# KiCad board Eclipse60.kicad_pcb (continued)
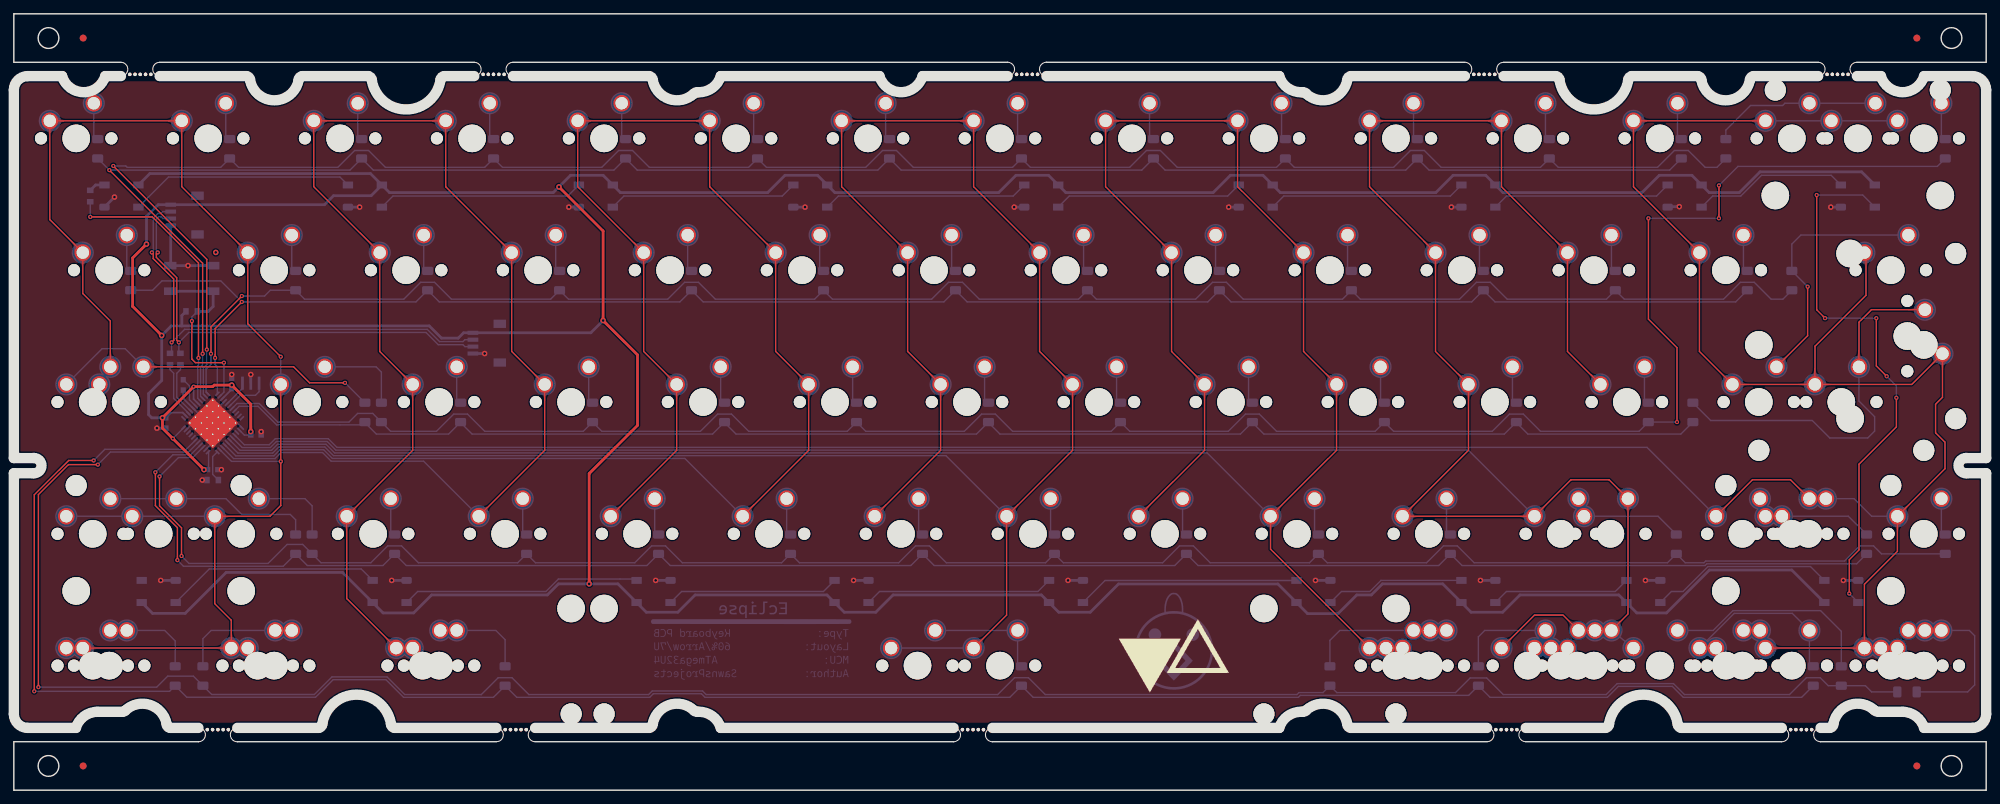
[diagram p0: board, top side]
## Copper pours and planes (outline as drawn; the poured copper is in the pictures) (continued)
Net-(D69-Pad2) on Bottom: 136.17,23.18 136.04,23.18 135.91,23.19 135.79,23.2 135.68,23.22 135.58,23.24 135.48,23.27 135.39,23.3 135.31,23.33 135.23,23.37 135.15,23.4 135.08,23.45 135.01,23.49 134.95,23.54 134.88,23.59 134.82,23.64 134.76,23.7 134.45,23.99 134.39,24.05 134.32,24.11 134.24,24.17 134.16,24.23 134.08,24.29 133.99,24.35 133.89,24.41 133.79,24.46 133.68,24.52 132.18,23.08 133.68,21.64 133.79,21.7 133.89,21.75 133.99,21.81 134.08,21.87 134.16,21.93 134.24,21.99 134.32,22.05 134.39,22.11 134.45,22.17 134.76,22.46 134.82,22.52 134.88,22.57 134.95,22.62 135.01,22.67 135.08,22.71 135.15,22.75 135.23,22.79 135.31,22.83 135.39,22.86 135.48,22.89 135.58,22.92 135.68,22.94 135.79,22.96 135.91,22.97 136.04,22.98 136.17,22.98
Net-(D69-Pad2) on Bottom: 135.37,23.18 135.27,23.18 135.18,23.19 135.09,23.2 135.01,23.21 134.93,23.22 134.86,23.24 134.79,23.26 134.72,23.29 134.67,23.31 134.61,23.34 134.56,23.37 134.5,23.41 134.46,23.44 134.41,23.48 133.98,23.86 133.92,23.9 133.87,23.95 133.8,23.99 133.74,24.03 133.66,24.08 133.59,24.12 133.51,24.16 132.38,23.08 133.51,22 133.59,22.04 133.66,22.08 133.74,22.13 133.8,22.17 133.87,22.21 133.92,22.26 133.98,22.3 134.41,22.68 134.46,22.72 134.5,22.75 134.56,22.79 134.61,22.82 134.67,22.85 134.72,22.87 134.79,22.9 134.86,22.92 134.93,22.94 135.01,22.95 135.09,22.96 135.18,22.97 135.27,22.98 135.37,22.98
Net-(D69-Pad2) on Bottom: 144.99,20.69 144.99,20.79 145,20.89 145.01,20.98 145.02,21.06 145.03,21.14 145.05,21.21 145.07,21.28 145.1,21.34 145.12,21.4 145.15,21.45 145.18,21.51 145.22,21.56 145.25,21.61 145.29,21.66 145.67,22.08 145.71,22.14 145.76,22.2 145.8,22.26 145.84,22.33 145.89,22.4 145.93,22.48 145.97,22.56 144.89,23.68 143.81,22.56 143.85,22.48 143.89,22.4 143.94,22.33 143.98,22.26 144.02,22.2 144.07,22.14 144.11,22.08 144.49,21.66 144.53,21.61 144.56,21.56 144.6,21.51 144.63,21.45 144.66,21.4 144.68,21.34 144.71,21.28 144.73,21.21 144.75,21.14 144.76,21.06 144.77,20.98 144.78,20.89 144.79,20.79 144.79,20.69
Net-(D69-Pad2) on Bottom: 144.99,19.89 144.99,20.03 145,20.15 145.01,20.27 145.03,20.38 145.05,20.49 145.08,20.58 145.11,20.67 145.14,20.76 145.18,20.84 145.21,20.91 145.26,20.98 145.3,21.05 145.35,21.12 145.4,21.18 145.45,21.24 145.51,21.3 145.8,21.61 145.86,21.68 145.92,21.75 145.98,21.82 146.04,21.9 146.1,21.98 146.16,22.07 146.22,22.17 146.27,22.27 146.33,22.38 144.89,23.88 143.45,22.38 143.51,22.27 143.56,22.17 143.62,22.07 143.68,21.98 143.74,21.9 143.8,21.82 143.86,21.75 143.92,21.68 143.98,21.61 144.27,21.3 144.33,21.24 144.38,21.18 144.43,21.12 144.48,21.05 144.52,20.98 144.57,20.91 144.6,20.84 144.64,20.76 144.67,20.67 144.7,20.58 144.73,20.49 144.75,20.38 144.77,20.27 144.78,20.15 144.79,20.03 144.79,19.89
Net-(D69-Pad2) on Bottom: 142.5,22.98 142.6,22.98 142.7,22.97 142.79,22.96 142.87,22.95 142.95,22.94 143.02,22.92 143.09,22.9 143.15,22.87 143.21,22.85 143.26,22.82 143.32,22.79 143.37,22.75 143.42,22.72 143.47,22.68 143.89,22.3 143.95,22.26 144.01,22.21 144.07,22.17 144.14,22.13 144.21,22.08 144.29,22.04 144.37,22 145.49,23.08 144.37,24.16 144.29,24.12 144.21,24.08 144.14,24.03 144.07,23.99 144.01,23.95 143.95,23.9 143.89,23.86 143.47,23.48 143.42,23.44 143.37,23.41 143.32,23.37 143.26,23.34 143.21,23.31 143.15,23.29 143.09,23.26 143.02,23.24 142.95,23.22 142.87,23.21 142.79,23.2 142.7,23.19 142.6,23.18 142.5,23.18
Net-(D70-Pad2) on Bottom: 243.33,23.18 243.19,23.18 243.07,23.19 242.95,23.2 242.84,23.22 242.73,23.24 242.64,23.27 242.55,23.3 242.46,23.33 242.38,23.37 242.31,23.4 242.24,23.45 242.17,23.49 242.1,23.54 242.04,23.59 241.98,23.64 241.92,23.7 241.61,23.99 241.54,24.05 241.47,24.11 241.4,24.17 241.32,24.23 241.23,24.29 241.15,24.35 241.05,24.41 240.95,24.46 240.84,24.52 239.34,23.08 240.84,21.64 240.95,21.7 241.05,21.75 241.15,21.81 241.23,21.87 241.32,21.93 241.4,21.99 241.47,22.05 241.54,22.11 241.61,22.17 241.92,22.46 241.98,22.52 242.04,22.57 242.1,22.62 242.17,22.67 242.24,22.71 242.31,22.75 242.38,22.79 242.46,22.83 242.55,22.86 242.64,22.89 242.73,22.92 242.84,22.94 242.95,22.96 243.07,22.97 243.19,22.98 243.33,22.98
Net-(D70-Pad2) on Bottom: 242.53,23.18 242.43,23.18 242.33,23.19 242.24,23.2 242.16,23.21 242.08,23.22 242.01,23.24 241.94,23.26 241.88,23.29 241.82,23.31 241.77,23.34 241.71,23.37 241.66,23.41 241.61,23.44 241.56,23.48 241.14,23.86 241.08,23.9 241.02,23.95 240.96,23.99 240.89,24.03 240.82,24.08 240.74,24.12 240.66,24.16 239.54,23.08 240.66,22 240.74,22.04 240.82,22.08 240.89,22.13 240.96,22.17 241.02,22.21 241.08,22.26 241.14,22.3 241.56,22.68 241.61,22.72 241.66,22.75 241.71,22.79 241.77,22.82 241.82,22.85 241.88,22.87 241.94,22.9 242.01,22.92 242.08,22.94 242.16,22.95 242.24,22.96 242.33,22.97 242.43,22.98 242.53,22.98
Net-(D70-Pad2) on Bottom: 263.69,19.09 263.25,18.16 263.79,17.6 264.33,18.16 263.89,19.09
Net-(D71-Pad2) on Bottom: 257.43,24.7 257.5,24.63 257.56,24.55 257.62,24.49 257.67,24.42 257.71,24.35 257.75,24.29 257.78,24.23 257.81,24.16 257.84,24.1 257.85,24.04 257.87,23.98 257.88,23.92 257.89,23.86 257.9,23.81 257.94,23.24 257.94,23.16 257.95,23.09 257.97,23.02 257.98,22.94 258,22.86 258.03,22.77 258.06,22.69 259.61,22.66 259.58,24.21 259.5,24.24 259.41,24.27 259.33,24.29 259.25,24.3 259.18,24.32 259.11,24.33 259.03,24.33 258.46,24.37 258.41,24.38 258.35,24.39 258.29,24.4 258.23,24.42 258.17,24.43 258.11,24.46 258.04,24.49 257.98,24.52 257.92,24.56 257.85,24.6 257.78,24.65 257.72,24.71 257.64,24.77 257.57,24.84
Net-(D71-Pad2) on Bottom: 244.93,22.3 244.86,22.23 244.79,22.17 244.72,22.11 244.65,22.06 244.59,22.02 244.52,21.98 244.46,21.95 244.4,21.92 244.34,21.89 244.28,21.88 244.22,21.86 244.16,21.85 244.1,21.84 244.04,21.83 243.47,21.79 243.4,21.79 243.33,21.78 243.25,21.76 243.17,21.75 243.09,21.73 243.01,21.7 242.92,21.67 242.89,20.12 244.45,20.15 244.48,20.23 244.5,20.32 244.52,20.4 244.54,20.48 244.55,20.55 244.56,20.62 244.57,20.7 244.6,21.27 244.61,21.32 244.62,21.38 244.63,21.44 244.65,21.5 244.67,21.56 244.69,21.62 244.72,21.69 244.75,21.75 244.79,21.81 244.84,21.88 244.89,21.95 244.94,22.01 245,22.09 245.08,22.16
Net-(D71-Pad2) on Bottom: 245.5,22.87 245.4,22.77 245.31,22.69 245.21,22.61 245.12,22.55 245.03,22.49 244.95,22.44 244.86,22.39 244.78,22.36 244.7,22.33 244.62,22.3 244.54,22.28 244.46,22.27 244.38,22.25 244.3,22.25 244.22,22.24 244.14,22.23 243.71,22.22 243.62,22.22 243.53,22.21 243.43,22.2 243.34,22.19 243.23,22.17 243.13,22.15 243.02,22.12 242.91,22.09 242.79,22.05 242.75,19.97 244.83,20.01 244.86,20.13 244.9,20.24 244.92,20.35 244.94,20.46 244.96,20.56 244.97,20.66 244.98,20.75 244.99,20.85 245,20.94 245.01,21.36 245.01,21.44 245.02,21.52 245.03,21.6 245.04,21.68 245.06,21.76 245.08,21.84 245.1,21.92 245.13,22.01 245.17,22.09 245.21,22.17 245.26,22.26 245.32,22.35 245.39,22.44 245.46,22.53 245.55,22.63 245.64,22.72
Net-(D71-Pad2) on Bottom: 256.86,25.26 256.96,25.17 257.04,25.07 257.12,24.98 257.18,24.89 257.24,24.8 257.29,24.71 257.34,24.63 257.37,24.55 257.4,24.46 257.43,24.38 257.45,24.3 257.46,24.22 257.48,24.14 257.48,24.06 257.49,23.98 257.5,23.9 257.51,23.48 257.51,23.39 257.52,23.29 257.53,23.2 257.54,23.1 257.56,23 257.58,22.89 257.61,22.78 257.64,22.67 257.68,22.55 259.76,22.51 259.72,24.59 259.6,24.63 259.48,24.66 259.38,24.69 259.27,24.71 259.17,24.73 259.07,24.74 258.98,24.75 258.88,24.76 258.79,24.76 258.37,24.77 258.29,24.78 258.21,24.79 258.13,24.79 258.05,24.81 257.97,24.82 257.89,24.84 257.81,24.87 257.72,24.9 257.64,24.93 257.56,24.98 257.47,25.03 257.38,25.09 257.29,25.15 257.2,25.23 257.1,25.31 257.01,25.41
Net-(D71-Pad2) on Bottom: 259.29,20.69 259.29,20.79 259.3,20.89 259.31,20.98 259.32,21.06 259.33,21.14 259.35,21.21 259.37,21.28 259.4,21.34 259.42,21.4 259.45,21.45 259.48,21.51 259.52,21.56 259.55,21.61 259.59,21.66 259.97,22.08 260.01,22.14 260.06,22.2 260.1,22.26 260.14,22.33 260.19,22.4 260.23,22.48 260.27,22.56 259.19,23.68 258.11,22.56 258.15,22.48 258.19,22.4 258.24,22.33 258.28,22.26 258.32,22.2 258.37,22.14 258.41,22.08 258.79,21.66 258.83,21.61 258.86,21.56 258.9,21.51 258.93,21.45 258.96,21.4 258.98,21.34 259.01,21.28 259.03,21.21 259.05,21.14 259.06,21.06 259.07,20.98 259.08,20.89 259.09,20.79 259.09,20.69
Net-(D71-Pad2) on Bottom: 259.29,19.89 259.29,20.03 259.3,20.15 259.31,20.27 259.33,20.38 259.35,20.49 259.38,20.58 259.41,20.67 259.44,20.76 259.48,20.84 259.51,20.91 259.56,20.98 259.6,21.05 259.65,21.12 259.7,21.18 259.75,21.24 259.81,21.3 260.1,21.61 260.16,21.68 260.22,21.75 260.28,21.82 260.34,21.9 260.4,21.98 260.46,22.07 260.52,22.17 260.57,22.27 260.63,22.38 259.19,23.88 257.75,22.38 257.81,22.27 257.86,22.17 257.92,22.07 257.98,21.98 258.04,21.9 258.1,21.82 258.16,21.75 258.22,21.68 258.28,21.61 258.57,21.3 258.63,21.24 258.68,21.18 258.73,21.12 258.78,21.05 258.82,20.98 258.87,20.91 258.9,20.84 258.94,20.76 258.97,20.67 259,20.58 259.03,20.49 259.05,20.38 259.07,20.27 259.08,20.15 259.09,20.03 259.09,19.89
Net-(D72-Pad2) on Bottom: 281.43,23.18 281.29,23.18 281.17,23.19 281.05,23.2 280.94,23.22 280.83,23.24 280.74,23.27 280.65,23.3 280.56,23.33 280.48,23.37 280.41,23.4 280.34,23.45 280.27,23.49 280.2,23.54 280.14,23.59 280.08,23.64 280.02,23.7 279.71,23.99 279.64,24.05 279.57,24.11 279.5,24.17 279.42,24.23 279.33,24.29 279.25,24.35 279.15,24.41 279.05,24.46 278.94,24.52 277.44,23.08 278.94,21.64 279.05,21.7 279.15,21.75 279.25,21.81 279.33,21.87 279.42,21.93 279.5,21.99 279.57,22.05 279.64,22.11 279.71,22.17 280.02,22.46 280.08,22.52 280.14,22.57 280.2,22.62 280.27,22.67 280.34,22.71 280.41,22.75 280.48,22.79 280.56,22.83 280.65,22.86 280.74,22.89 280.83,22.92 280.94,22.94 281.05,22.96 281.17,22.97 281.29,22.98 281.43,22.98
Net-(D72-Pad2) on Bottom: 275.87,14.3 274.94,14.74 274.38,14.2 274.94,13.66 275.87,14.1
Net-(D72-Pad2) on Bottom: 280.63,23.18 280.53,23.18 280.43,23.19 280.34,23.2 280.26,23.21 280.18,23.22 280.11,23.24 280.04,23.26 279.98,23.29 279.92,23.31 279.87,23.34 279.81,23.37 279.76,23.41 279.71,23.44 279.66,23.48 279.24,23.86 279.18,23.9 279.12,23.95 279.06,23.99 278.99,24.03 278.92,24.08 278.84,24.12 278.76,24.16 277.64,23.08 278.76,22 278.84,22.04 278.92,22.08 278.99,22.13 279.06,22.17 279.12,22.21 279.18,22.26 279.24,22.3 279.66,22.68 279.71,22.72 279.76,22.75 279.81,22.79 279.87,22.82 279.92,22.85 279.98,22.87 280.04,22.9 280.11,22.92 280.18,22.94 280.26,22.95 280.34,22.96 280.43,22.97 280.53,22.98 280.63,22.98
Net-(R4-Pad2) on Bottom: 23.66,72.31 22.81,72.6 22.29,72.11 22.81,71.61 23.66,71.91
Net-(R4-Pad2) on Bottom: 28.97,71.02 29.26,71.87 28.77,72.38 28.27,71.87 28.57,71.02
Net-(R4-Pad2) on Bottom: 27.68,71.91 28.53,71.61 29.04,72.11 28.53,72.6 27.68,72.31
Net-(RGB14-Pad4) on Bottom: 184.14,30.2 184.94,29.86 185.39,30.32 184.91,30.76 184.14,30.4
Net-(RGB15-Pad4) on Bottom: 207.97,30.22 208.74,29.87 209.21,30.32 208.74,30.77 207.97,30.42

Small or netless copper shapes (teardrops, artwork), in the pictures only: 55 on Top, 244 on Bottom
